# KiCad board KlusterLab r2.0.kicad_pcb (continued)
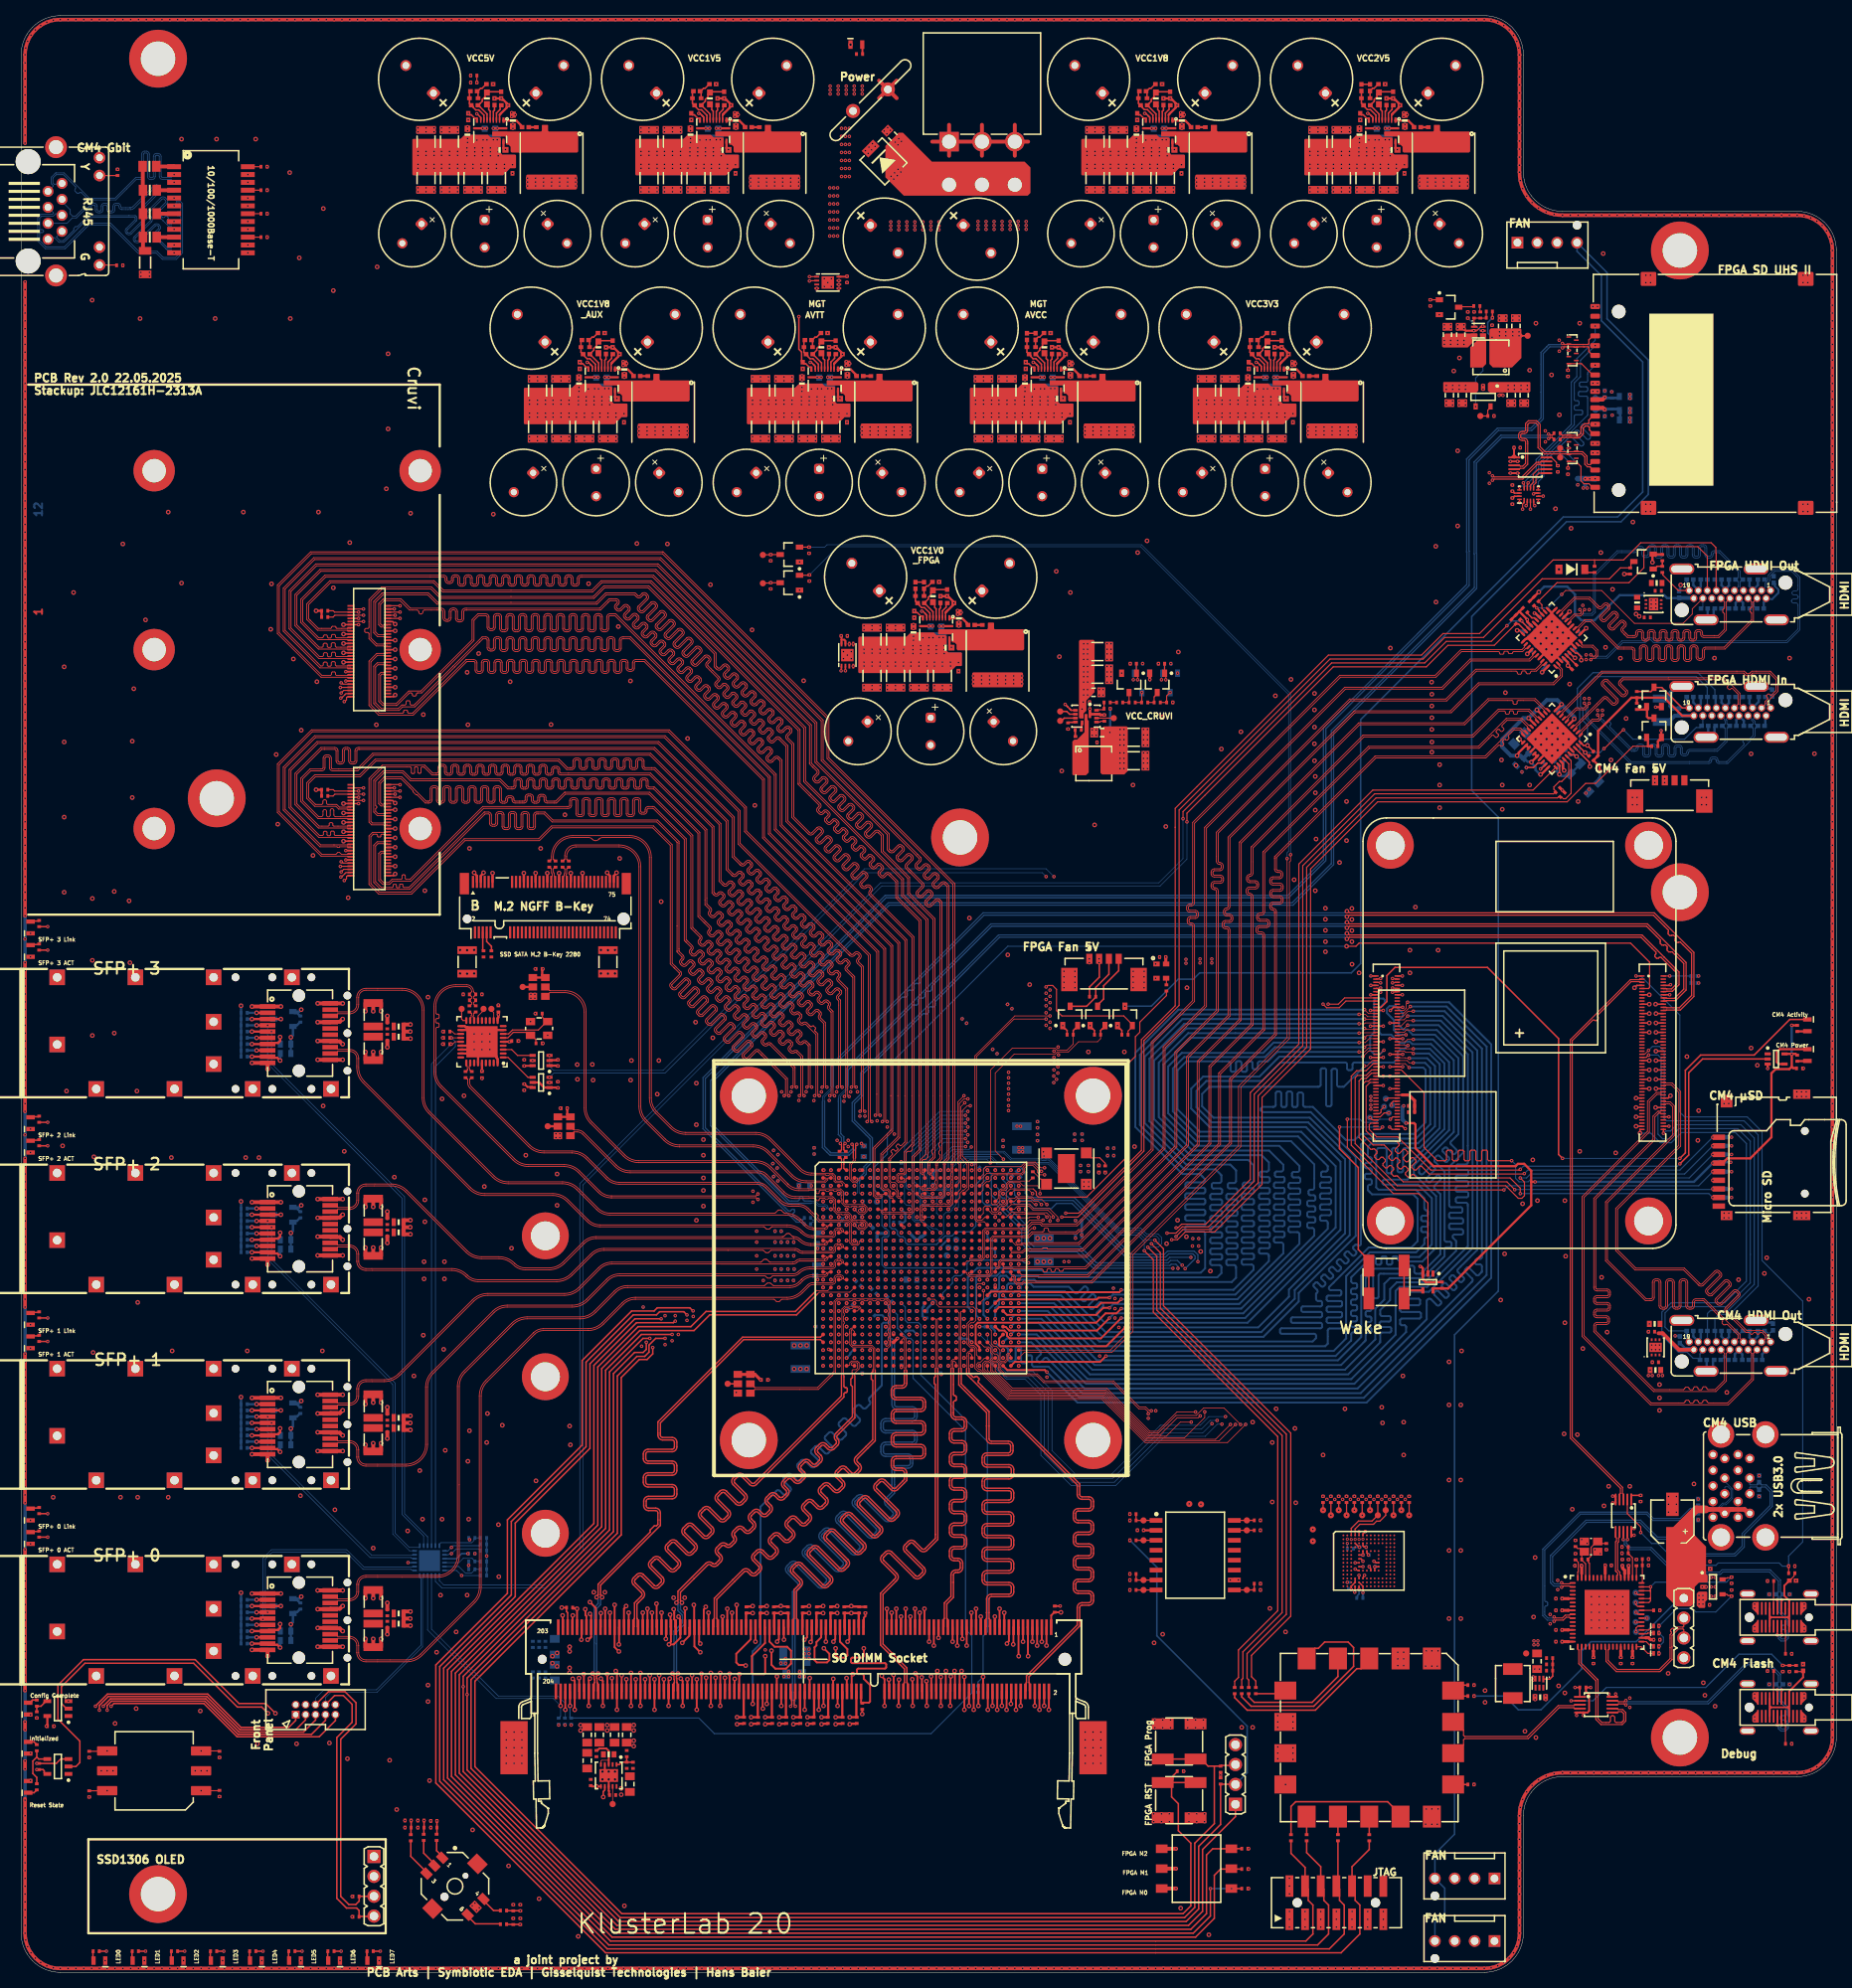
[diagram p0: board, top side]
## Routing (per net, layer and track width the routed paths; a pad name or vN(x,y) marks a point on that pad's centre or on a via; arc(x,y) is an arc through that point) (continued)
DDR3_D39: length 56.2
  L1 Top w0.249: J1.142 v2(86.95,38.15)
  L10 Inner9 (Sig) w0.154: v1(105.5,82.5) 105,82 104.4,82 104,81.6 104,81.3 103.7,81 102.43,81 101,79.57 101,76.5 99.5,75 99.5,63.3 86.5,50.3 86.5,46.66 86,46.16 86,39.1 v2(86.95,38.15)
DDR3_D40: length 53.3
  L1 Top w0.249: v2(84.5,42.1) 85.4,43 85.4,44.05 J1.147
  L3 Inner2 (Sig) w0.154: v2(84.5,42.1) 84.5,43 85.5,44 85.5,47.24 85.8,47.54 85.8,48.4 105,67.6 105,68.33 arc(105.05,68.44) 105.15,68.48 105.25,68.48 arc(105.36,68.53) 105.4,68.63 105.4,68.94 arc(105.36,69.04) 105.25,69.09 104.87,69.09 arc(104.77,69.13) 104.72,69.24 104.72,69.54 arc(104.77,69.65) 104.87,69.69 105.25,69.69 arc(105.36,69.73) 105.4,69.84 105.4,70.14 arc(105.36,70.25) 105.25,70.29 104.87,70.29 arc(104.77,70.34) 104.72,70.45 104.72,70.75 arc(104.77,70.85) 104.87,70.9 105.25,70.9 arc(105.36,70.94) 105.4,71.05 105.4,71.35 arc(105.36,71.46) 105.25,71.5 104.87,71.5 arc(104.77,71.55) 104.72,71.65 104.72,71.96 arc(104.77,72.06) 104.87,72.11 105.25,72.11 arc(105.36,72.15) 105.4,72.26 105.4,72.56 arc(105.36,72.67) 105.25,72.71 104.87,72.71 arc(104.77,72.75) 104.72,72.86 104.72,73.16 arc(104.77,73.27) 104.87,73.31 105.25,73.31 arc(105.36,73.36) 105.4,73.47 105.4,73.77 arc(105.36,73.87) 105.25,73.92 104.87,73.92 arc(104.77,73.96) 104.72,74.07 104.72,74.37 arc(104.77,74.48) 104.87,74.52 105.25,74.52 arc(105.36,74.57) 105.4,74.67 105.4,74.98 arc(105.36,75.08) 105.25,75.13 104.93,75.13 arc(104.82,75.17) 104.78,75.28 104.78,75.58 arc(104.82,75.69) 104.93,75.73 105.15,75.73 arc(105.26,75.78) 105.31,75.88 105.31,76.18 arc(105.26,76.29) 105.15,76.33 arc(105.05,76.38) 105,76.49 105,77 v1(104.5,77.5)
DDR3_D41: length 52.7
  L1 Top w0.249: v2(84.9,46.5) 84.85,46.45 J1.149
  L3 Inner2 (Sig) w0.154: v2(84.9,46.5) 84.99,46.59 84.99,46.93 85.1,47.05 85.1,47.4 85.3,47.6 85.3,49.3 88.93,52.92 arc(89.03,52.97) 89.14,52.92 89.14,52.92 arc(89.25,52.88) 89.36,52.92 89.57,53.14 arc(89.62,53.24) 89.57,53.35 89.47,53.45 arc(89.43,53.56) 89.47,53.66 89.69,53.88 arc(89.79,53.92) 89.9,53.88 90,53.78 arc(90.11,53.73) 90.21,53.78 90.43,53.99 arc(90.47,54.1) 90.43,54.21 90.33,54.3 arc(90.28,54.41) 90.33,54.52 90.54,54.73 arc(90.65,54.78) 90.75,54.73 90.85,54.63 arc(90.96,54.59) 91.07,54.63 91.28,54.85 arc(91.32,54.95) 91.28,55.06 91.18,55.16 arc(91.14,55.26) 91.18,55.37 91.39,55.59 arc(91.5,55.63) 91.61,55.59 91.71,55.49 arc(91.81,55.44) 91.92,55.49 92.13,55.7 arc(92.18,55.81) 92.13,55.91 92.04,56.01 arc(91.99,56.12) 92.04,56.23 92.25,56.44 arc(92.36,56.48) 92.46,56.44 92.56,56.34 arc(92.67,56.3) 92.77,56.34 92.99,56.55 arc(93.03,56.66) 92.99,56.77 92.89,56.87 arc(92.85,56.97) 92.89,57.08 93.1,57.29 arc(93.21,57.34) 93.32,57.29 93.42,57.2 arc(93.52,57.15) 93.63,57.2 93.84,57.41 arc(93.89,57.52) 93.84,57.62 93.74,57.72 arc(93.7,57.83) 93.74,57.93 93.96,58.15 arc(94.06,58.19) 94.17,58.15 94.27,58.05 arc(94.38,58.01) 94.48,58.05 94.7,58.26 arc(94.74,58.37) 94.7,58.48 94.6,58.58 arc(94.55,58.68) 94.6,58.79 94.81,59 arc(94.92,59.05) 95.03,59 95.12,58.9 arc(95.23,58.86) 95.34,58.9 95.55,59.12 arc(95.6,59.22) 95.55,59.33 95.45,59.43 arc(95.41,59.54) 95.45,59.64 95.67,59.86 arc(95.77,59.9) 95.88,59.86 95.98,59.76 arc(96.08,59.71) 96.19,59.76 96.41,59.97 arc(96.45,60.08) 96.41,60.18 96.31,60.28 arc(96.26,60.39) 96.31,60.5 96.52,60.71 arc(96.63,60.75) 96.73,60.71 96.83,60.61 arc(96.94,60.57) 97.05,60.61 97.26,60.83 arc(97.3,60.93) 97.26,61.04 97.16,61.14 arc(97.12,61.24) 97.16,61.35 97.37,61.56 arc(97.48,61.61) 97.59,61.56 97.69,61.47 arc(97.79,61.42) 97.9,61.47 98.11,61.68 arc(98.16,61.79) 98.11,61.89 98.01,61.99 arc(97.97,62.1) 98.01,62.21 98.23,62.42 arc(98.34,62.46) 98.44,62.42 98.54,62.32 arc(98.65,62.28) 98.75,62.32 98.97,62.53 arc(99.01,62.64) 98.97,62.75 98.87,62.85 arc(98.82,62.95) 98.87,63.06 99.08,63.27 arc(99.19,63.32) 99.3,63.27 99.4,63.17 arc(99.5,63.13) 99.61,63.17 99.82,63.39 arc(99.87,63.5) 99.82,63.6 99.72,63.7 arc(99.68,63.81) 99.72,63.91 99.94,64.13 arc(100.04,64.17) 100.15,64.13 100.25,64.03 arc(100.36,63.98) 100.46,64.03 100.68,64.24 arc(100.72,64.35) 100.68,64.46 100.58,64.55 arc(100.53,64.66) 100.58,64.77 100.79,64.98 arc(100.9,65.03) 101,64.98 101.1,64.88 arc(101.21,64.84) 101.32,64.88 101.53,65.1 arc(101.57,65.2) 101.53,65.31 101.43,65.41 arc(101.39,65.52) 101.43,65.62 101.65,65.84 arc(101.75,65.88) 101.86,65.84 101.89,65.81 arc(101.99,65.76) 102.1,65.81 102.31,66.02 arc(102.36,66.13) 102.31,66.23 102.29,66.26 arc(102.24,66.37) 102.29,66.48 102.5,66.69 arc(102.61,66.73) 102.71,66.69 102.81,66.59 arc(102.92,66.55) 103.02,66.59 103.24,66.81 arc(103.28,66.91) 103.24,67.02 arc(103.19,67.13) 103.24,67.24 104,68 104,78 v1(104.5,78.5)
DDR3_D42: length 52.1
  L1 Top w0.249: v2(82.4,42.6) 82.43,42.63 82.43,44.08 J1.157
  L3 Inner2 (Sig) w0.154: v2(82.4,42.6) 82.45,42.65 82.45,43.08 arc(82.4,43.19) 82.3,43.23 81.97,43.23 arc(81.86,43.28) 81.81,43.38 81.81,43.68 arc(81.86,43.79) 81.97,43.84 84.43,43.84 arc(84.54,43.88) 84.58,43.99 84.58,44.29 arc(84.54,44.39) 84.43,44.44 82.12,44.44 arc(82.01,44.48) 81.97,44.59 81.97,44.89 arc(82.01,45) 82.12,45.04 82.3,45.04 arc(82.4,45.09) 82.45,45.2 82.45,48.95 103,69.5 103,78 103.5,78.5 v1(103.5,78.5)
DDR3_D43: length 53.4
  L1 Top w0.249: J1.159 v2(81.85,45.95)
  L3 Inner2 (Sig) w0.154: v1(102.5,78.5) 102.44,78.5 102.02,78.08 102.02,74.51 arc(101.98,74.4) 101.87,74.36 101.28,74.36 arc(101.18,74.31) 101.13,74.21 101.13,73.9 arc(101.18,73.8) 101.28,73.75 102.1,73.75 arc(102.2,73.71) 102.25,73.6 102.25,73.3 arc(102.2,73.19) 102.1,73.15 100.79,73.15 arc(100.68,73.1) 100.64,73 100.64,72.7 arc(100.68,72.59) 100.79,72.54 102.1,72.54 arc(102.2,72.5) 102.25,72.39 102.25,72.09 arc(102.2,71.98) 102.1,71.94 100.79,71.94 arc(100.68,71.9) 100.64,71.79 100.64,71.49 arc(100.68,71.38) 100.79,71.34 102.1,71.34 arc(102.2,71.29) 102.25,71.19 102.25,70.88 arc(102.2,70.78) 102.1,70.73 100.79,70.73 arc(100.68,70.69) 100.64,70.58 100.64,70.28 arc(100.68,70.17) 100.79,70.13 101.87,70.13 arc(101.98,70.08) 102.02,69.97 102.02,69.52 82.1,49.6 82.1,46.6 81.88,46.38 81.88,45.98 v2(81.85,45.95)
DDR3_D44: length 56.7
  L1 Top w0.249: J1.146 v2(85.75,37.95)
  L3 Inner2 (Sig) w0.154: v1(107.5,78.5) 107.48,78.48 107.18,78.48 106.5,77.8 106.5,67 86.9,47.4 86.9,46.63 87.25,46.28 87.25,44.21 85.75,42.71 85.75,42.36 arc(85.8,42.25) 85.9,42.21 arc(86.01,42.16) 86.06,42.06 86.06,41.75 arc(86.01,41.65) 85.9,41.6 85.81,41.6 arc(85.71,41.56) 85.66,41.45 85.66,41.15 arc(85.71,41.04) 85.81,41 86.09,41 arc(86.19,40.96) 86.24,40.85 86.24,40.55 arc(86.19,40.44) 86.09,40.4 85.81,40.4 arc(85.71,40.35) 85.66,40.24 85.66,39.94 arc(85.71,39.84) 85.81,39.79 87.31,39.79 arc(87.42,39.75) 87.46,39.64 87.46,39.34 arc(87.42,39.23) 87.31,39.19 85.9,39.19 arc(85.8,39.14) 85.75,39.03 v2(85.75,37.95)
DDR3_D45: length 56.6
  L1 Top w0.249: J1.148 v2(85.15,37.45)
  L3 Inner2 (Sig) w0.154: v1(106.5,78.5) 106,78 106,67.5 86.5,48 86.5,46.7 86.01,46.21 86.01,43.61 85.15,42.75 85.15,41.69 arc(85.1,41.58) 85,41.54 83.96,41.54 arc(83.86,41.49) 83.81,41.38 83.81,41.08 arc(83.86,40.98) 83.96,40.93 85.07,40.93 arc(85.18,40.89) 85.22,40.78 85.22,40.48 arc(85.18,40.37) 85.07,40.33 83.89,40.33 arc(83.78,40.28) 83.74,40.18 83.74,39.87 arc(83.78,39.77) 83.89,39.72 85,39.72 arc(85.1,39.68) 85.15,39.57 v2(85.15,37.45)
DDR3_D46: length 56.9
  L1 Top w0.249: J1.158 v2(82.15,37.45)
  L3 Inner2 (Sig) w0.154: v2(82.15,37.45) 82.15,38.38 arc(82.1,38.49) 82,38.53 81.82,38.53 arc(81.71,38.58) 81.67,38.68 81.67,38.98 arc(81.71,39.09) 81.82,39.14 82.15,39.14 arc(82.26,39.18) 82.3,39.29 82.3,39.59 arc(82.26,39.69) 82.15,39.74 82,39.74 arc(81.89,39.78) 81.84,39.89 81.84,40.19 arc(81.89,40.3) 82,40.34 arc(82.1,40.39) 82.15,40.5 82.15,41.55 81.37,42.33 81.37,46.33 81.73,46.69 81.73,49.93 100,68.2 100,74.5 101.5,76 101.5,78.3 102.2,79 105,79 105.49,79.49 v1(105.49,79.51)
DDR3_D47: length 53.3
  L1 Top w0.249: J1.160 v2(81.55,37.95)
  L3 Inner2 (Sig) w0.154: v2(81.55,37.95) 81.1,38.4 81.1,46.3 80.72,46.68 80.72,49.52 99.5,68.3 99.5,75 101,76.5 101,78.5 102,79.5 v1(102.5,79.5)
DDR3_D48: length 69.6
  L1 Top w0.249: v2(80.62,45.95) 80.64,45.94 80.64,44.11 J1.163
  L10 Inner9 (Sig) w0.154: v2(80.62,45.95) 80.65,45.98 80.65,48.15 81.5,49 81.5,50.46 arc(81.55,50.57) 81.65,50.61 81.71,50.61 arc(81.81,50.66) 81.86,50.76 81.86,51.07 arc(81.81,51.17) 81.71,51.22 81.39,51.22 arc(81.28,51.26) 81.23,51.37 81.23,51.67 arc(81.28,51.78) 81.39,51.82 81.71,51.82 arc(81.81,51.86) 81.86,51.97 81.86,52.27 arc(81.81,52.38) 81.71,52.42 81.39,52.42 arc(81.28,52.47) 81.23,52.58 81.23,52.88 arc(81.28,52.98) 81.39,53.03 81.71,53.03 arc(81.81,53.07) 81.86,53.18 81.86,53.48 arc(81.81,53.59) 81.71,53.63 81.39,53.63 arc(81.28,53.68) 81.23,53.78 81.23,54.09 arc(81.28,54.19) 81.39,54.24 81.71,54.24 arc(81.81,54.28) 81.86,54.39 81.86,54.69 arc(81.81,54.8) 81.71,54.84 81.39,54.84 arc(81.28,54.88) 81.23,54.99 81.23,55.29 arc(81.28,55.4) 81.39,55.44 81.71,55.44 arc(81.81,55.49) 81.86,55.6 81.86,55.9 arc(81.81,56) 81.71,56.05 81.39,56.05 arc(81.28,56.09) 81.23,56.2 81.23,56.5 arc(81.28,56.61) 81.39,56.65 81.71,56.65 arc(81.81,56.7) 81.86,56.8 81.86,57.11 arc(81.81,57.21) 81.71,57.26 81.39,57.26 arc(81.28,57.3) 81.23,57.41 81.23,57.71 arc(81.28,57.82) 81.39,57.86 81.71,57.86 arc(81.81,57.9) 81.86,58.01 81.86,58.31 arc(81.81,58.42) 81.71,58.46 81.39,58.46 arc(81.28,58.51) 81.23,58.62 81.23,58.92 arc(81.28,59.02) 81.39,59.07 81.71,59.07 arc(81.81,59.11) 81.86,59.22 81.86,59.52 arc(81.81,59.63) 81.71,59.67 81.39,59.67 arc(81.28,59.72) 81.23,59.82 81.23,60.13 arc(81.28,60.23) 81.39,60.28 81.71,60.28 arc(81.81,60.32) 81.86,60.43 81.86,60.73 arc(81.81,60.84) 81.71,60.88 81.39,60.88 arc(81.28,60.92) 81.23,61.03 81.23,61.33 arc(81.28,61.44) 81.39,61.48 81.71,61.48 arc(81.81,61.53) 81.86,61.64 81.86,61.94 arc(81.81,62.04) 81.71,62.09 81.39,62.09 arc(81.28,62.13) 81.23,62.24 81.23,62.54 arc(81.28,62.65) 81.39,62.69 81.71,62.69 arc(81.81,62.74) 81.86,62.84 81.86,63.15 arc(81.81,63.25) 81.71,63.3 81.39,63.3 arc(81.28,63.34) 81.23,63.45 81.23,63.75 arc(81.28,63.86) 81.39,63.9 81.71,63.9 arc(81.81,63.94) 81.86,64.05 81.86,64.35 arc(81.81,64.46) 81.71,64.5 81.39,64.5 arc(81.28,64.55) 81.23,64.66 81.23,64.96 arc(81.28,65.06) 81.39,65.11 81.71,65.11 arc(81.81,65.15) 81.86,65.26 81.86,65.56 arc(81.81,65.67) 81.71,65.71 81.39,65.71 arc(81.28,65.76) 81.23,65.86 81.23,66.17 arc(81.28,66.27) 81.39,66.32 81.71,66.32 arc(81.81,66.36) 81.86,66.47 81.86,66.77 arc(81.81,66.88) 81.71,66.92 81.48,66.92 arc(81.38,66.96) 81.33,67.07 81.33,67.37 arc(81.38,67.48) 81.48,67.52 81.65,67.52 arc(81.76,67.57) 81.81,67.68 81.81,67.98 arc(81.76,68.08) 81.65,68.13 arc(81.55,68.17) 81.5,68.28 81.5,70 94.5,83 103.7,83 104,83.3 104,84 v1(104.5,84.5)
DDR3_D49: length 72.6
  L1 Top w0.249: J1.165 v2(80.05,46.45)
  L10 Inner9 (Sig) w0.154: v2(80.05,46.45) 80.05,49.05 80.5,49.5 80.5,49.88 arc(80.45,49.99) 80.35,50.03 80.15,50.03 arc(80.04,50.08) 80,50.18 80,50.48 arc(80.04,50.59) 80.15,50.64 80.46,50.64 arc(80.57,50.68) 80.61,50.79 80.61,51.09 arc(80.57,51.19) 80.46,51.24 80.15,51.24 arc(80.04,51.28) 80,51.39 80,51.69 arc(80.04,51.8) 80.15,51.84 80.46,51.84 arc(80.57,51.89) 80.61,51.99 80.61,52.3 arc(80.57,52.4) 80.46,52.45 80.15,52.45 arc(80.04,52.49) 80,52.6 80,52.9 arc(80.04,53.01) 80.15,53.05 80.46,53.05 arc(80.57,53.1) 80.61,53.2 80.61,53.5 arc(80.57,53.61) 80.46,53.66 80.15,53.66 arc(80.04,53.7) 80,53.81 80,54.11 arc(80.04,54.21) 80.15,54.26 80.46,54.26 arc(80.57,54.3) 80.61,54.41 80.61,54.71 arc(80.57,54.82) 80.46,54.86 80.15,54.86 arc(80.04,54.91) 80,55.01 80,55.32 arc(80.04,55.42) 80.15,55.47 80.46,55.47 arc(80.57,55.51) 80.61,55.62 80.61,55.92 arc(80.57,56.03) 80.46,56.07 80.15,56.07 arc(80.04,56.12) 80,56.22 80,56.52 arc(80.04,56.63) 80.15,56.68 80.46,56.68 arc(80.57,56.72) 80.61,56.83 80.61,57.13 arc(80.57,57.23) 80.46,57.28 80.15,57.28 arc(80.04,57.32) 80,57.43 80,57.73 arc(80.04,57.84) 80.15,57.88 80.46,57.88 arc(80.57,57.93) 80.61,58.03 80.61,58.34 arc(80.57,58.44) 80.46,58.49 80.15,58.49 arc(80.04,58.53) 80,58.64 80,58.94 arc(80.04,59.05) 80.15,59.09 80.46,59.09 arc(80.57,59.14) 80.61,59.24 80.61,59.54 arc(80.57,59.65) 80.46,59.7 80.15,59.7 arc(80.04,59.74) 80,59.85 80,60.15 arc(80.04,60.25) 80.15,60.3 80.46,60.3 arc(80.57,60.34) 80.61,60.45 80.61,60.75 arc(80.57,60.86) 80.46,60.9 80.15,60.9 arc(80.04,60.95) 80,61.05 80,61.36 arc(80.04,61.46) 80.15,61.51 80.46,61.51 arc(80.57,61.55) 80.61,61.66 80.61,61.96 arc(80.57,62.07) 80.46,62.11 80.15,62.11 arc(80.04,62.16) 80,62.26 80,62.56 arc(80.04,62.67) 80.15,62.72 80.46,62.72 arc(80.57,62.76) 80.61,62.87 80.61,63.17 arc(80.57,63.27) 80.46,63.32 80.15,63.32 arc(80.04,63.36) 80,63.47 80,63.77 arc(80.04,63.88) 80.15,63.92 80.46,63.92 arc(80.57,63.97) 80.61,64.07 80.61,64.38 arc(80.57,64.48) 80.46,64.53 80.15,64.53 arc(80.04,64.57) 80,64.68 80,64.98 arc(80.04,65.09) 80.15,65.13 80.46,65.13 arc(80.57,65.18) 80.61,65.28 80.61,65.58 arc(80.57,65.69) 80.46,65.74 80.15,65.74 arc(80.04,65.78) 80,65.89 80,66.19 arc(80.04,66.29) 80.15,66.34 80.46,66.34 arc(80.57,66.38) 80.61,66.49 80.61,66.79 arc(80.57,66.9) 80.46,66.94 80.15,66.94 arc(80.04,66.99) 80,67.09 80,67.4 arc(80.04,67.5) 80.15,67.55 80.46,67.55 arc(80.57,67.59) 80.61,67.7 80.61,68 arc(80.57,68.11) 80.46,68.15 80.21,68.15 arc(80.11,68.2) 80.06,68.3 80.06,68.6 arc(80.11,68.71) 80.21,68.75 80.35,68.75 arc(80.45,68.8) 80.5,68.91 80.5,69.9 94.6,84 103.6,84 104,84.4 104,84.57 104.43,85 105,85 v1(105.5,85.5)
DDR3_D50: length 72
  L1 Top w0.249: J1.175 77.05,46.46 77.32,46.73 v2(77.32,46.8)
  L10 Inner9 (Sig) w0.154: v1(103.5,86.5) 103.47,86.53 103.04,86.53 102.58,87 94,87 77.6,70.6 77.6,69.34 arc(77.65,69.23) 77.75,69.19 arc(77.86,69.14) 77.91,69.04 77.91,68.74 arc(77.86,68.63) 77.75,68.58 77.6,68.58 arc(77.49,68.54) 77.45,68.43 77.45,68.13 arc(77.49,68.03) 77.6,67.98 77.63,67.98 arc(77.73,67.94) 77.78,67.83 77.78,67.53 arc(77.73,67.42) 77.63,67.38 77.57,67.38 arc(77.47,67.33) 77.42,67.23 77.42,66.92 arc(77.47,66.82) 77.57,66.77 77.82,66.77 arc(77.92,66.73) 77.97,66.62 77.97,66.32 arc(77.92,66.21) 77.82,66.17 77.57,66.17 arc(77.47,66.12) 77.42,66.02 77.42,65.72 arc(77.47,65.61) 77.57,65.56 77.82,65.56 arc(77.92,65.52) 77.97,65.41 77.97,65.11 arc(77.92,65.01) 77.82,64.96 77.57,64.96 arc(77.47,64.92) 77.42,64.81 77.42,64.51 arc(77.47,64.4) 77.57,64.36 77.82,64.36 arc(77.92,64.31) 77.97,64.21 77.97,63.9 arc(77.92,63.8) 77.82,63.75 77.57,63.75 arc(77.47,63.71) 77.42,63.6 77.42,63.3 arc(77.47,63.19) 77.57,63.15 77.82,63.15 arc(77.92,63.1) 77.97,63 77.97,62.7 arc(77.92,62.59) 77.82,62.54 77.57,62.54 arc(77.47,62.5) 77.42,62.39 77.42,62.09 arc(77.47,61.99) 77.57,61.94 77.82,61.94 arc(77.92,61.9) 77.97,61.79 77.97,61.49 arc(77.92,61.38) 77.82,61.34 77.57,61.34 arc(77.47,61.29) 77.42,61.19 77.42,60.88 arc(77.47,60.78) 77.57,60.73 77.82,60.73 arc(77.92,60.69) 77.97,60.58 77.97,60.28 arc(77.92,60.17) 77.82,60.13 77.57,60.13 arc(77.47,60.08) 77.42,59.98 77.42,59.68 arc(77.47,59.57) 77.57,59.52 77.82,59.52 arc(77.92,59.48) 77.97,59.37 77.97,59.07 arc(77.92,58.97) 77.82,58.92 77.57,58.92 arc(77.47,58.88) 77.42,58.77 77.42,58.47 arc(77.47,58.36) 77.57,58.32 77.82,58.32 arc(77.92,58.27) 77.97,58.17 77.97,57.86 arc(77.92,57.76) 77.82,57.71 77.57,57.71 arc(77.47,57.67) 77.42,57.56 77.42,57.26 arc(77.47,57.15) 77.57,57.11 77.82,57.11 arc(77.92,57.06) 77.97,56.96 77.97,56.66 arc(77.92,56.55) 77.82,56.5 77.57,56.5 arc(77.47,56.46) 77.42,56.35 77.42,56.05 arc(77.47,55.95) 77.57,55.9 77.82,55.9 arc(77.92,55.86) 77.97,55.75 77.97,55.45 arc(77.92,55.34) 77.82,55.3 77.57,55.3 arc(77.47,55.25) 77.42,55.15 77.42,54.84 arc(77.47,54.74) 77.57,54.69 77.82,54.69 arc(77.92,54.65) 77.97,54.54 77.97,54.24 arc(77.92,54.13) 77.82,54.09 77.57,54.09 arc(77.47,54.04) 77.42,53.94 77.42,53.64 arc(77.47,53.53) 77.57,53.48 77.82,53.48 arc(77.92,53.44) 77.97,53.33 77.97,53.03 arc(77.92,52.93) 77.82,52.88 77.57,52.88 arc(77.47,52.84) 77.42,52.73 77.42,52.43 arc(77.47,52.32) 77.57,52.28 77.82,52.28 arc(77.92,52.23) 77.97,52.13 77.97,51.82 arc(77.92,51.72) 77.82,51.67 77.57,51.67 arc(77.47,51.63) 77.42,51.52 77.42,51.22 arc(77.47,51.11) 77.57,51.07 77.82,51.07 arc(77.92,51.02) 77.97,50.92 77.97,50.62 arc(77.92,50.51) 77.82,50.46 77.75,50.46 arc(77.65,50.42) 77.6,50.31 77.6,49.63 77.6,47.11 77.32,46.84 v2(77.32,46.8)
DDR3_D51: length 75
  L1 Top w0.249: J1.177 76.43,44.08 76.43,41.93 v2(76.4,41.9)
  L10 Inner9 (Sig) w0.154: v1(106.5,86.5) 106.48,86.52 106.04,86.52 105.47,87.1 104.1,87.1 103.2,88 99.54,88 99.28,87.74 93.84,87.74 76.8,70.7 76.8,56.1 arc(76.85,55.99) 76.95,55.94 arc(77.06,55.9) 77.11,55.79 77.11,55.49 arc(77.06,55.38) 76.95,55.34 76.92,55.34 arc(76.81,55.29) 76.77,55.19 76.77,54.88 arc(76.81,54.78) 76.92,54.73 arc(77.03,54.69) 77.07,54.58 77.07,54.28 arc(77.03,54.17) 76.92,54.13 arc(76.81,54.09) 76.77,53.98 76.77,53.68 arc(76.81,53.57) 76.92,53.53 76.98,53.53 arc(77.09,53.48) 77.13,53.37 77.13,53.07 arc(77.09,52.97) 76.98,52.92 76.92,52.92 arc(76.81,52.88) 76.77,52.77 76.77,52.47 arc(76.81,52.36) 76.92,52.32 77.01,52.32 arc(77.12,52.27) 77.16,52.17 77.16,51.86 arc(77.12,51.76) 77.01,51.71 76.92,51.71 arc(76.81,51.67) 76.77,51.56 76.77,51.26 arc(76.81,51.15) 76.92,51.11 77.01,51.11 arc(77.12,51.07) 77.16,50.96 77.16,50.66 arc(77.12,50.55) 77.01,50.51 76.92,50.51 arc(76.81,50.46) 76.77,50.35 76.77,50.05 arc(76.81,49.95) 76.92,49.9 77.01,49.9 arc(77.12,49.86) 77.16,49.75 77.16,49.45 arc(77.12,49.34) 77.01,49.3 76.92,49.3 arc(76.81,49.25) 76.77,49.15 76.77,48.84 arc(76.81,48.74) 76.92,48.69 77.01,48.69 arc(77.12,48.65) 77.16,48.54 77.16,48.24 arc(77.12,48.13) 77.01,48.09 76.95,48.09 arc(76.85,48.04) 76.8,47.94 76.8,46.02 arc(76.75,45.91) 76.65,45.87 76.45,45.87 arc(76.34,45.82) 76.3,45.72 76.3,45.41 arc(76.34,45.31) 76.45,45.26 77.43,45.26 arc(77.53,45.22) 77.58,45.11 77.58,44.81 arc(77.53,44.7) 77.43,44.66 76.45,44.66 arc(76.34,44.61) 76.3,44.51 76.3,44.21 arc(76.34,44.1) 76.45,44.06 76.65,44.06 arc(76.75,44.01) 76.8,43.9 76.8,43.5 76.4,43.1 v2(76.4,41.9)
DDR3_D52: length 74.3
  L1 Top w0.249: J1.164 v2(80.35,37.95) 80.3,38
  L10 Inner9 (Sig) w0.154: v1(107.5,85.5) 107,85 105.43,85 105,84.57 105,83.3 104.7,83 104.3,83 104,82.7 104,82.2 103.8,82 94.4,82 88.4,76 82.5,70.1 82.5,47.46 81.33,46.28 81.33,45.01 arc(81.37,44.9) 81.48,44.86 arc(81.59,44.81) 81.63,44.7 81.63,44.4 arc(81.59,44.3) 81.48,44.25 81.33,44.25 arc(81.22,44.21) 81.17,44.1 81.17,43.8 arc(81.22,43.69) 81.33,43.65 81.88,43.65 arc(81.98,43.6) 82.03,43.5 82.03,43.19 arc(81.98,43.09) 81.88,43.04 81.28,43.04 arc(81.17,43) 81.13,42.89 81.13,42.59 arc(81.17,42.48) 81.28,42.44 81.77,42.44 arc(81.88,42.4) 81.92,42.29 81.92,41.99 arc(81.88,41.88) 81.77,41.84 81.28,41.84 arc(81.17,41.79) 81.13,41.68 81.13,41.38 arc(81.17,41.28) 81.28,41.23 82.88,41.23 arc(82.99,41.19) 83.04,41.08 83.04,40.78 arc(82.99,40.67) 82.88,40.63 81.48,40.63 arc(81.37,40.58) 81.33,40.47 81.33,38.93 v2(80.35,37.95)
DDR3_D53: length 71.4
  L1 Top w0.249: J1.166 79.75,37.35 79.8,37.4
  L10 Inner9 (Sig) w0.154: 79.75,37.4 v2(79.75,37.45) 79.75,39.38 arc(79.8,39.49) 79.9,39.54 80.43,39.54 arc(80.54,39.58) 80.58,39.69 80.58,39.99 arc(80.54,40.09) 80.43,40.14 79.6,40.14 arc(79.49,40.18) 79.45,40.29 79.45,40.59 arc(79.49,40.7) 79.6,40.74 80.43,40.74 arc(80.54,40.79) 80.58,40.89 80.58,41.2 arc(80.54,41.3) 80.43,41.35 79.6,41.35 arc(79.49,41.39) 79.45,41.5 79.45,41.8 arc(79.49,41.91) 79.6,41.95 80.43,41.95 arc(80.54,42) 80.58,42.1 80.58,42.4 arc(80.54,42.51) 80.43,42.56 79.9,42.56 arc(79.8,42.6) 79.75,42.71 79.75,43.95 78.9,44.8 78.9,46.6 79.5,47.2 79.5,69.8 94.7,85 103.7,85 104.18,85.48 104.48,85.48 v1(104.5,85.5)
DDR3_D54: length 70.8
  L1 Top w0.249: 77.3,37.5 v2(77.35,37.45) J1.174
  L10 Inner9 (Sig) w0.154: 77.35,37.5 77.35,38.72 arc(77.3,38.82) 77.2,38.87 77.12,38.87 arc(77.02,38.91) 76.97,39.02 76.97,39.32 arc(77.02,39.43) 77.12,39.47 77.59,39.47 arc(77.69,39.52) 77.74,39.62 77.74,39.93 arc(77.69,40.03) 77.59,40.08 77.12,40.08 arc(77.02,40.12) 76.97,40.23 76.97,40.53 arc(77.02,40.64) 77.12,40.68 77.59,40.68 arc(77.69,40.73) 77.74,40.83 77.74,41.13 arc(77.69,41.24) 77.59,41.29 77.12,41.29 arc(77.02,41.33) 76.97,41.44 76.97,41.74 arc(77.02,41.85) 77.12,41.89 77.59,41.89 arc(77.69,41.93) 77.74,42.04 77.74,42.34 arc(77.69,42.45) 77.59,42.49 77.12,42.49 arc(77.02,42.54) 76.97,42.64 76.97,42.95 arc(77.02,43.05) 77.12,43.1 77.2,43.1 arc(77.3,43.14) 77.35,43.25 77.35,43.95 78.1,44.7 78.1,45.66 78.17,45.73 78.17,47.17 78.5,47.5 78.5,47.97 78.39,48.08 78.14,48.08 78.03,48.19 78.03,48.53 78.14,48.64 78.39,48.64 78.5,48.75 78.5,70.7 94.3,86.5 100.5,86.5 v1(102.5,86.5)
DDR3_D55: length 75.4
  L1 Top w0.249: J1.176 v2(76.75,37.95) 76.7,38
  L10 Inner9 (Sig) w0.154: v2(76.75,37.95) 76.75,38.45 76.5,38.7 76.5,39.6 75.9,40.2 75.9,46.16 76.4,46.66 76.4,71.2 80.8,75.6 89.2,84 94.2,89 105,89 v1(107.5,86.5)
DDR3_D56: length 68.2
  L1 Top w0.249: J1.181 v2(75.25,45.95)
  L3 Inner2 (Sig) w0.154: v1(103.5,81.5) 101,81.5 98,81.5 84.5,68 84.5,60.7 84.06,60.26 arc(84.02,60.15) 84.06,60.04 84.41,59.69 arc(84.45,59.59) 84.41,59.48 84.2,59.27 arc(84.09,59.22) 83.98,59.27 83.46,59.79 arc(83.35,59.83) 83.25,59.79 83.03,59.57 arc(82.99,59.47) 83.03,59.36 83.55,58.84 arc(83.6,58.73) 83.55,58.63 83.34,58.41 arc(83.23,58.37) 83.13,58.41 82.61,58.93 arc(82.5,58.98) 82.39,58.93 82.18,58.72 arc(82.14,58.61) 82.18,58.51 82.7,57.99 arc(82.74,57.88) 82.7,57.77 82.49,57.56 arc(82.38,57.51) 82.27,57.56 81.75,58.08 arc(81.65,58.12) 81.54,58.08 81.33,57.87 arc(81.28,57.76) 81.33,57.65 81.85,57.13 arc(81.89,57.02) 81.85,56.92 81.63,56.7 arc(81.53,56.66) 81.42,56.7 80.9,57.22 arc(80.79,57.27) 80.69,57.22 80.47,57.01 arc(80.43,56.9) 80.47,56.8 80.99,56.28 arc(81.04,56.17) 80.99,56.06 80.78,55.85 arc(80.67,55.81) 80.56,55.85 80.04,56.37 arc(79.94,56.41) 79.83,56.37 79.62,56.16 arc(79.57,56.05) 79.62,55.94 80.14,55.42 arc(80.18,55.32) 80.14,55.21 79.92,55 arc(79.82,54.95) 79.71,55 79.19,55.52 arc(79.08,55.56) 78.98,55.52 78.76,55.3 arc(78.72,55.2) 78.76,55.09 79.28,54.57 arc(79.33,54.46) 79.28,54.36 79.07,54.14 arc(78.96,54.1) 78.86,54.14 78.34,54.66 arc(78.23,54.71) 78.12,54.66 77.91,54.45 arc(77.86,54.34) 77.91,54.23 78.43,53.71 arc(78.47,53.61) 78.43,53.5 78.22,53.29 arc(78.11,53.24) 78,53.29 77.48,53.81 arc(77.38,53.85) 77.27,53.81 77.05,53.59 arc(77.01,53.49) 77.05,53.38 77.57,52.86 arc(77.62,52.75) 77.57,52.65 77.36,52.43 arc(77.25,52.39) 77.15,52.43 76.8,52.78 arc(76.69,52.83) 76.58,52.78 75.8,52 75.8,47.8 75.25,47.25 v2(75.25,45.95)
DDR3_D57: length 70.2
  L1 Top w0.249: J1.183 v2(74.65,46.45)
  L3 Inner2 (Sig) w0.154: v1(104.5,82.5) 104.48,82.48 104.04,82.48 103.57,82 97,82 83.5,68.5 83.5,62.5 82.43,61.43 arc(82.32,61.38) 82.21,61.43 81.99,61.65 arc(81.89,61.69) 81.78,61.65 81.57,61.43 arc(81.52,61.33) 81.57,61.22 82.14,60.65 arc(82.18,60.54) 82.14,60.43 81.93,60.22 arc(81.82,60.17) 81.71,60.22 81.11,60.82 arc(81,60.87) 80.89,60.82 80.68,60.61 arc(80.64,60.5) 80.68,60.4 81.29,59.79 arc(81.33,59.69) 81.29,59.58 81.07,59.36 arc(80.97,59.32) 80.86,59.36 80.25,59.97 arc(80.15,60.01) 80.04,59.97 79.83,59.76 arc(79.78,59.65) 79.83,59.54 80.43,58.94 arc(80.48,58.83) 80.43,58.72 80.22,58.51 arc(80.11,58.47) 80,58.51 79.4,59.12 arc(79.29,59.16) 79.19,59.12 78.97,58.9 arc(78.93,58.79) 78.97,58.69 79.58,58.08 arc(79.62,57.98) 79.58,57.87 79.36,57.66 arc(79.26,57.61) 79.15,57.66 78.55,58.26 arc(78.44,58.31) 78.33,58.26 78.12,58.05 arc(78.07,57.94) 78.12,57.83 78.72,57.23 arc(78.77,57.12) 78.72,57.02 78.51,56.8 arc(78.4,56.76) 78.3,56.8 77.69,57.41 arc(77.58,57.45) 77.48,57.41 77.26,57.19 arc(77.22,57.09) 77.26,56.98 77.87,56.38 arc(77.91,56.27) 77.87,56.16 77.66,55.95 arc(77.55,55.9) 77.44,55.95 76.84,56.55 arc(76.73,56.6) 76.62,56.55 76.41,56.34 arc(76.37,56.23) 76.41,56.13 77.01,55.52 arc(77.06,55.41) 77.01,55.31 76.8,55.09 arc(76.69,55.05) 76.59,55.09 75.98,55.7 arc(75.88,55.74) 75.77,55.7 75.56,55.48 arc(75.51,55.38) 75.56,55.27 75.8,55.02 arc(75.85,54.91) 75.8,54.8 75.4,54.4 75.4,48.1 75,47.7 75,47.41 74.65,47.06 v2(74.65,46.45)
DDR3_D58: length 71.3
  L1 Top w0.249: v2(72.1,46.4) 72.12,46.38 72.12,45.63 72.25,45.51 J1.191
  L3 Inner2 (Sig) w0.154: v1(102.5,84.5) 93.5,84.5 79.5,70.5 79.5,69.2 79.08,68.78 arc(79.04,68.67) 79.08,68.56 79.25,68.4 arc(79.29,68.29) 79.25,68.18 79.03,67.97 arc(78.93,67.93) 78.82,67.97 78.38,68.42 arc(78.27,68.46) 78.16,68.42 77.95,68.2 arc(77.9,68.1) 77.95,67.99 78.39,67.54 arc(78.44,67.44) 78.39,67.33 78.18,67.12 arc(78.07,67.07) 77.97,67.12 77.52,67.56 arc(77.41,67.61) 77.31,67.56 77.09,67.35 arc(77.05,67.24) 77.09,67.13 77.54,66.69 arc(77.58,66.58) 77.54,66.48 77.33,66.26 arc(77.22,66.22) 77.11,66.26 76.67,66.71 arc(76.56,66.75) 76.45,66.71 76.24,66.49 arc(76.2,66.39) 76.24,66.28 76.68,65.84 arc(76.73,65.73) 76.68,65.62 76.47,65.41 arc(76.36,65.36) 76.26,65.41 75.81,65.85 arc(75.71,65.9) 75.6,65.85 75.39,65.64 arc(75.34,65.53) 75.39,65.43 75.83,64.98 arc(75.87,64.87) 75.83,64.77 75.62,64.55 arc(75.51,64.51) 75.4,64.55 74.96,65 arc(74.85,65.04) 74.75,65 74.53,64.79 arc(74.49,64.68) 74.53,64.57 74.98,64.13 arc(75.02,64.02) 74.98,63.91 74.76,63.7 arc(74.66,63.66) 74.55,63.7 74.1,64.14 arc(74,64.19) 73.89,64.14 73.68,63.93 arc(73.63,63.82) 73.68,63.72 74.12,63.27 arc(74.17,63.17) 74.12,63.06 73.91,62.85 arc(73.8,62.8) 73.69,62.85 73.25,63.29 arc(73.14,63.33) 73.04,63.29 72.82,63.08 arc(72.78,62.97) 72.82,62.86 73.27,62.42 arc(73.31,62.31) 73.27,62.21 73.05,61.99 arc(72.95,61.95) 72.84,61.99 72.4,62.44 arc(72.29,62.48) 72.18,62.44 71.97,62.22 arc(71.92,62.12) 71.97,62.01 72.03,61.95 arc(72.08,61.84) 72.03,61.73 71.8,61.5 71.8,47.13 72.01,46.91 72.01,46.49 v2(72.1,46.4)